# KiCad board pedalboard-hw.kicad_pcb
title: Open Pedalboard; date: 2023-09-10; rev: 2.1.0; company: https://github.com/pedalboard; note: Source Code: https://github.com/pedalboard/pedalboard-hw; note: License: CERN Open Hardware Licence Version 2 - Permissive
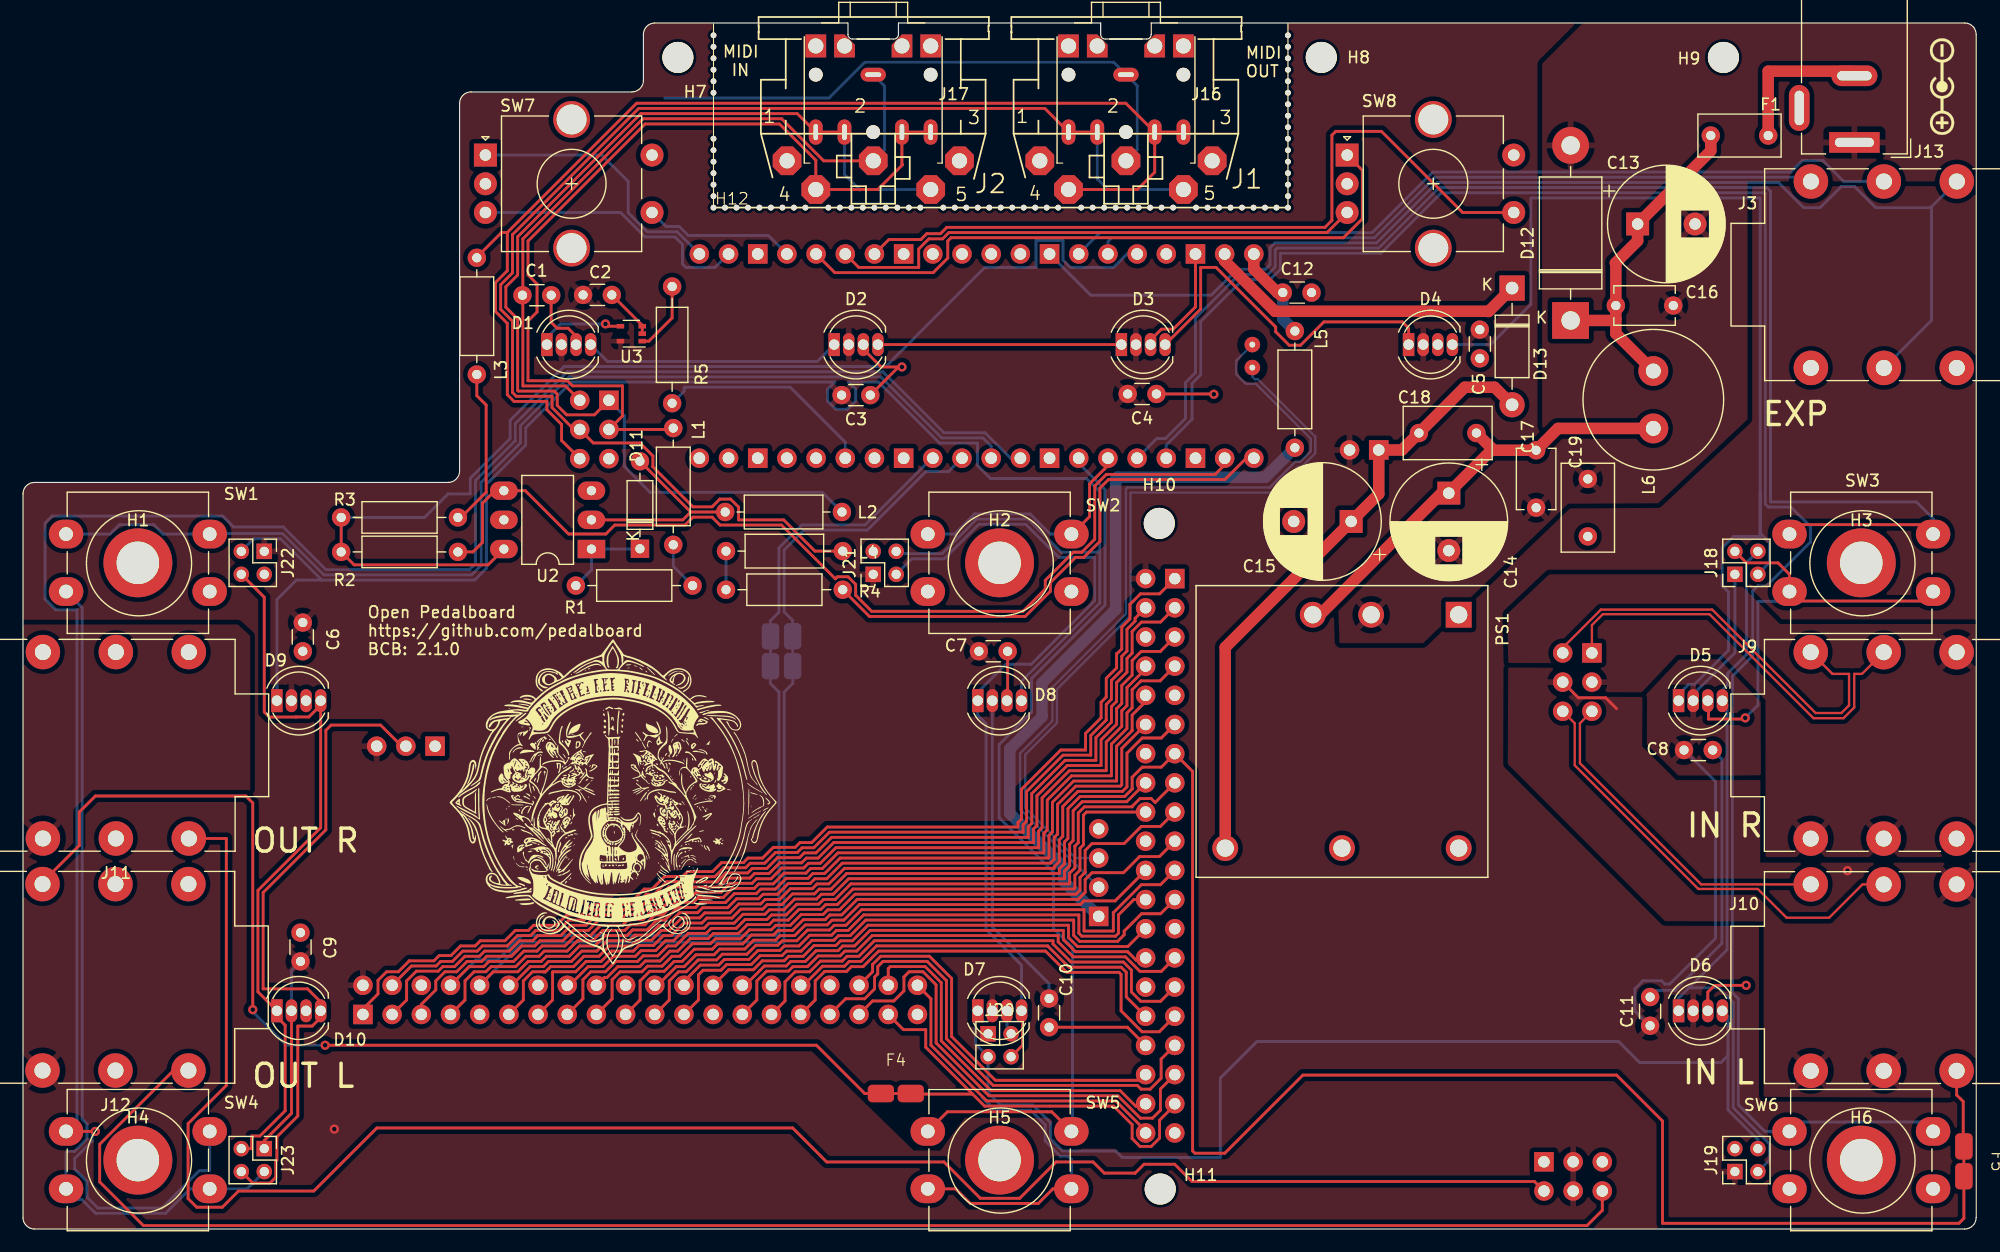
[diagram p0: board, top side]
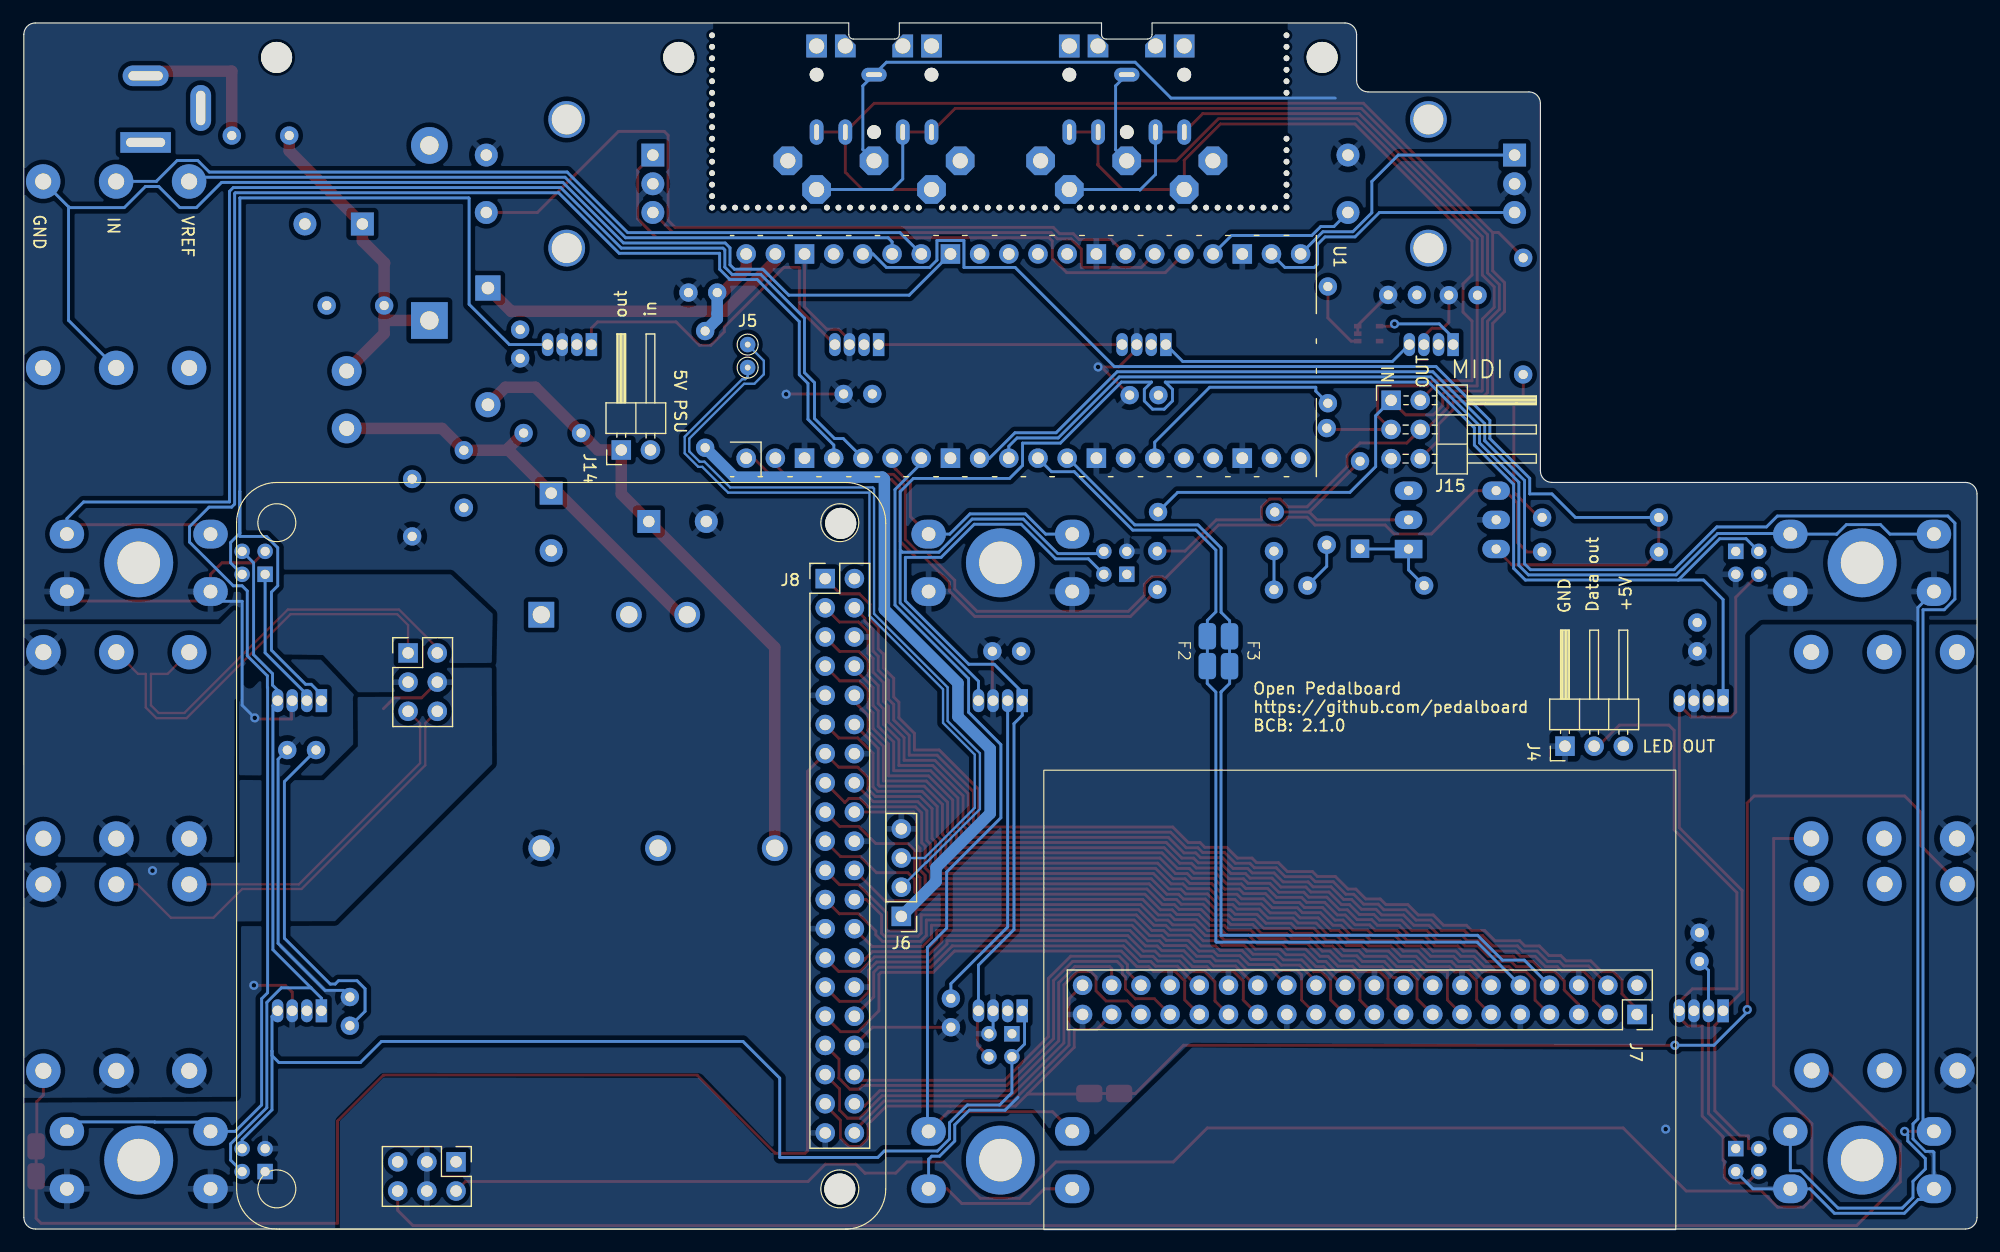
[diagram p1: board, bottom side, seen from below]

Outline 170 x 105 mm; copper layers: Top, Bottom. Coordinates in mm from the lower left corner of the outline.
Outline path: 0,64 arc(0.29,64.71) 1,65 37,65 arc(37.71,65.29) 38,66 38,98 arc(38.29,98.71) 39,99 53,99 arc(53.71,99.29) 54,100 54,104 arc(54.29,104.71) 55,105 71.8,105 71.8,104 arc(71.92,103.72) 72.2,103.6 75.8,103.6 arc(76.08,103.72) 76.2,104 76.2,105 93.8,105 93.8,104 arc(93.92,103.72) 94.2,103.6 97.8,103.6 arc(98.08,103.72) 98.2,104 98.2,105 169,105 arc(169.71,104.71) 170,104 170,1 arc(169.71,0.29) 169,0 1,0 arc(0.29,0.29) 0,1 0,64
Stack: Top 0.035mm / dielectric 1.51mm FR4 er 4.5 / Bottom 0.035mm

## Placement (name value [footprint] x y rotation side)
C1  100nF  [C_Disc_D3.0mm_W1.6mm_P2.50mm]  43.48 81.3 0 top
C2  100nF  [C_Disc_D3.0mm_W1.6mm_P2.50mm]  48.75 81.33 0 top
C3  100nF  [C_Disc_D3.0mm_W1.6mm_P2.50mm]  71.25 72.6 0 top
C4  100nF  [C_Disc_D3.0mm_W1.6mm_P2.50mm]  96.15 72.7 0 top
C5  100nF  [C_Disc_D3.0mm_W1.6mm_P2.50mm]  126.8 78.3 270 top
C6  100nF  [C_Disc_D3.0mm_W1.6mm_P2.50mm]  24.35 52.8 270 top
C7  100nF  [C_Disc_D3.0mm_W1.6mm_P2.50mm]  83.2 50.3 0 top
C8  100nF  [C_Disc_D3.0mm_W1.6mm_P2.50mm]  144.57 41.7 0 top
C9  100nF  [C_Disc_D3.0mm_W1.6mm_P2.50mm]  24.16 23.3 90 top
C10  100nF  [C_Disc_D3.0mm_W1.6mm_P2.50mm]  89.31 20.07 270 top
C11  100nF  [C_Disc_D3.0mm_W1.6mm_P2.50mm]  141.62 17.7 90 top
C12  100nF  [C_Disc_D3.0mm_W1.6mm_P2.50mm]  109.65 81.53 0 top
C13  220uF  [CP_Radial_D10.0mm_P5.00mm]  140.53 87.5 0 top
C14  220uF  [CP_Radial_D10.0mm_P5.00mm]  124.1 64.07 270 top
C15  220uF  [CP_Radial_D10.0mm_P5.00mm]  115.6 61.6 180 top
C16  4.7uF  [C_Disc_D5.1mm_W3.2mm_P5.00mm]  138.64 80.4 0 top
C17  4.7uF  [C_Disc_D5.1mm_W3.2mm_P5.00mm]  131.7 67.8 270 top
C18  1nF  [C_Disc_D7.5mm_W4.4mm_P5.00mm]  126.5 69.3 180 top
C19  1nF  [C_Disc_D7.5mm_W4.4mm_P5.00mm]  136.2 60.3 90 top
D1  NEOPIX  [LED_D5.0mm-NeoPixel]  45.6 77 0 top
D2  NEOPIX  [LED_D5.0mm-NeoPixel]  70.6 77 0 top
D3  NEOPIX  [LED_D5.0mm-NeoPixel]  95.6 77 0 top
D4  NEOPIX  [LED_D5.0mm-NeoPixel]  120.6 77 0 top
D5  NEOPIX  [LED_D5.0mm-NeoPixel]  144.1 46 0 top
D6  NEOPIX  [LED_D5.0mm-NeoPixel]  144.1 19 0 top
D7  NEOPIX  [LED_D5.0mm-NeoPixel]  83.1 19 0 top
D8  NEOPIX  [LED_D5.0mm-NeoPixel]  83.1 46 0 top
D9  NEOPIX  [LED_D5.0mm-NeoPixel]  22.1 46 0 top
D10  NEOPIX  [LED_D5.0mm-NeoPixel]  22.1 19 0 top
D11  1N4148  [D_DO-35_SOD27_P7.62mm_Horizontal]  53.7 59.22 90 top
D12  1N5401  [D_DO-201AD_P15.24mm_Horizontal]  134.7 79.1 90 top
D13  1N5817  [D_DO-41_SOD81_P10.16mm_Horizontal]  129.61 81.92 270 top
F1  Polyfuse 1.8A  [C_Rect_L7.0mm_W3.5mm_P5.00mm]  151.9 95.2 180 top
F2  ~  [Trace_Fuse]  66.99 50.31 90 bottom
F3  ~  [Trace_Fuse]  65.06 50.3 90 bottom
F4  ~  [Trace_Fuse]  75.97 11.8 0 top
F5  ~  [Trace_Fuse]  168.93 5.89 270 top
H1  Spacer  [WA-SMSI_M2.5]  10 58 0 top
H2  Spacer  [WA-SMSI_M2.5]  85 58 0 top
H3  Spacer  [WA-SMSI_M2.5]  160 58 0 top
H4  Spacer  [WA-SMSI_M2.5]  10 6 0 top
H5  Spacer  [WA-SMSI_M2.5]  85 6 0 top
H6  Spacer  [WA-SMSI_M2.5]  160 6 0 top
H7  MountingHole  [MountingHole_2.7mm_M2.5_DIN965]  57 102 0 top
H8  MountingHole  [MountingHole_2.7mm_M2.5_DIN965]  113 102 0 top
H9  MountingHole  [MountingHole_2.7mm_M2.5_DIN965]  148 102 0 top
H10  MountingHole  [MountingHole_2.7mm_M2.5_DIN965]  98.9 61.43 0 top
H11  MountingHole  [MountingHole_2.7mm_M2.5_DIN965]  98.98 3.48 0 top
H12  Midi Bites  [MIDI bites]  85.1 104.92 0 top
J1  MIDI_OUT  [CP-2350]  96 103 180 top
J2  MIDI_IN  [CP-2350]  74.01 103 180 top
J3  EXP  [Jack_6.35mm_Horizontal]  155.62 91.2 0 top
J4  RGB_LED_EXT  [PinHeader_1x03_P2.54mm_Horizontal]  35.87 42.04 90 bottom
J5  Pico USB TP  [Spring_Loaded_Pins_2mm]  107 77 180 bottom
J6  USB_A  [USB A BCB Male Plug]  93.62 27.22 0 bottom
J7  Raspberry_pi  [Raspberry PI Compute Module CM4 Nano A]  29.59 18.68 90 top
J8  HiFi Berry  [HiFi Berry DAC ADC+]  100.25 56.62 180 bottom
J9  Audio IN Right  [Jack_6.35mm_Horizontal]  155.6 50.22 0 top
J10  Audio IN Left  [Jack_6.35mm_Horizontal]  155.6 30 0 top
J11  Audio OUT Right  [Jack_6.35mm_Horizontal]  14.44 34 180 top
J12  Audio OUT Left  [Jack_6.35mm_Horizontal]  14.4 13.8 180 top
J13  Barrel_Jack_MountingPin  [BarrelJack_Wuerth_6941xx301002]  159.4 94.6 180 top
J14  Conn_02x01  [PinHeader_1x02_P2.54mm_Horizontal]  118 67.83 90 bottom
J15  MIDI IN/OUT  [PinHeader_2x03_P2.54mm_Horizontal]  51 72.15 180 bottom
J16  MIDI OUT J  [Jack_3.5mm_CUI_SJ1-3525N_Horizontal]  96 100.5 180 top
J17  MIDI IN J  [Jack_3.5mm_CUI_SJ1-3525N_Horizontal]  74 100.5 180 top
J18  LED-Ring  [Led-Ring]  149 57 90 top
J19  LED-Ring  [Led-Ring]  149 5 90 top
J20  LED-Ring  [Led-Ring]  84 17 0 top
J21  LED-Ring  [Led-Ring]  74 57 90 top
J22  LED-Ring  [Led-Ring]  21 59 270 top
J23  LED-Ring  [Led-Ring]  21 7 270 top
L1  103_100MHz  [L_Axial_L6.6mm_D2.7mm_P10.16mm_Horizontal_Vishay_IM-2]  56.6 69.73 270 top
L2  103_100MHz  [L_Axial_L6.6mm_D2.7mm_P10.16mm_Horizontal_Vishay_IM-2]  71.28 62.42 180 top
L3  103_100MHz  [L_Axial_L6.6mm_D2.7mm_P10.16mm_Horizontal_Vishay_IM-2]  39.5 84.56 270 top
L4  103_100MHz  [L_Axial_L6.6mm_D2.7mm_P10.16mm_Horizontal_Vishay_IM-2]  71.35 59.02 180 top
L5  103_100MHz  [L_Axial_L6.6mm_D2.7mm_P10.16mm_Horizontal_Vishay_IM-2]  110.7 78.18 270 top
L6  2.2uH  [L_Radial_D12.0mm_P5.00mm_Fastron_11P]  141.9 74.7 270 top
PS1  PDQE15-Q24-S5-D  [CONV_PDQE15-Q24-S5-D]  114.8 43.32 270 top
R1  220  [R_Axial_DIN0207_L6.3mm_D2.5mm_P10.16mm_Horizontal]  58.28 56.02 180 top
R2  470  [R_Axial_DIN0207_L6.3mm_D2.5mm_P10.16mm_Horizontal]  27.7 58.95 0 top
R3  33  [R_Axial_DIN0207_L6.3mm_D2.5mm_P10.16mm_Horizontal]  27.7 61.95 0 top
R4  10  [R_Axial_DIN0207_L6.3mm_D2.5mm_P10.16mm_Horizontal]  61.19 55.66 0 top
R5  470  [R_Axial_DIN0207_L6.3mm_D2.5mm_P10.16mm_Horizontal]  56.5 71.9 90 top
SW1  D  [SW_PUSH-12mm_Wuerth-430476085716]  3.75 60.5 0 top
SW2  E  [SW_PUSH-12mm_Wuerth-430476085716]  78.75 60.5 0 top
SW3  F  [SW_PUSH-12mm_Wuerth-430476085716]  153.75 60.5 0 top
SW4  A  [SW_PUSH-12mm_Wuerth-430476085716]  3.75 8.5 0 top
SW5  B  [SW_PUSH-12mm_Wuerth-430476085716]  78.75 8.5 0 top
SW6  C  [SW_PUSH-12mm_Wuerth-430476085716]  153.75 8.5 0 top
SW7  VOL Rotary  [RotaryEncoder_Alps_EC11E-Switch_Vertical_H20mm_CircularMountingHoles]  40.25 93.5 0 top
SW8  GAIN Rotary  [RotaryEncoder_Alps_EC11E-Switch_Vertical_H20mm_CircularMountingHoles]  115.25 93.5 0 top
U1  Pico  [RPi_Pico_SMD_TH]  83 76 90 bottom
U2  H11L1  [DIP-6_W7.62mm_LongPads]  49.47 59.2 180 top
U3  74AHCT1G32SE-7  [SOT-353_SC-70-5]  52.95 77.95 180 top

## Library data of the parts
C1-C12 = -: Description: Unpolarized capacitor; Supplier: https://www.digikey.ch/en/products/detail/vishay-beyschlag-draloric-bc-components/K104K20X7RH5TL2/286568
C13-C15 = -: Description: Polarized capacitor; Supplier: https://www.digikey.ch/de/products/detail/cornell-dubilier-illinois-capacitor/227AVG050MGBJ/5411698
C16 C17 = -: Description: Unpolarized capacitor; Supplier: https://www.digikey.ch/de/products/detail/kemet/C322C475K5R5TA/3726055
C18 C19 = -: Description: Unpolarized capacitor; Supplier: https://www.digikey.ch/de/products/detail/kemet/C330C102JHR5TA/1465599
D1-D10 = -: Description: RGB LED with integrated controller, 5mm/8mm LED package; Supplier: https://www.digikey.ch/de/products/detail/sparkfun-electronics/COM-12999/5673800
D11 = -: Description: 100V 0.15A standard switching diode, DO-35; Sim.Device: D; Sim.Pins: 1=K 2=A; Supplier: https://www.digikey.ch/en/products/detail/onsemi/1N4148/458603
D12 = -: Description: 100V 3A General Purpose Rectifier Diode, DO-201AD; Sim.Device: D; Sim.Pins: 1=K 2=A; Supplier: https://www.digikey.ch/de/products/detail/onsemi/1N5401G/1485525
D13 = -: Description: 20V 1A Schottky Barrier Rectifier Diode, DO-41; Supplier: https://www.digikey.ch/en/products/detail/onsemi/1N5817RLG/807254
F1 = -: Description: Resettable fuse, polymeric positive temperature coefficient; Supplier: https://www.digikey.ch/de/products/detail/bel-fuse-inc/0ZRP0090FF1E/9468255
F2-F5 = -: Description: Fuse, small symbol
H1-H6 = -: Description: Mounting Hole without connection; Supplier: https://www.digikey.ch/de/products/detail/w%C3%BCrth-elektronik/9774027151R/5320625
H7-H12 = -: Description: Mounting Hole without connection
J1 J2 = -: Description: 5-pin DIN connector (5-pin DIN-5 stereo); Supplier: https://www.digikey.ch/de/products/detail/switchcraft-inc/57PC5F/275385
J3 J9-J12 = -: Description: M Series, 6.35mm (1/4in) stereo jack, switched, with chrome ferrule and straight PCB pins; Supplier: https://www.digikey.ch/de/products/detail/schurter-inc/4833-2320/2644235
J4 = -: Description: Generic connector, single row, 01x03, script generated; Supplier: https://www.digikey.ch/de/products/detail/w%C3%BCrth-elektronik/61300311021/4846824
J5 = -: Description: Generic connector, single row, 01x02, script generated; Supplier: https://www.digikey.ch/de/products/detail/mill-max-manufacturing-corp/0906-0-15-20-76-14-11-0/1147048
J6 = -: Description: USB Type A connector; Supplier: https://www.digikey.ch/de/products/detail/gct/USB1061-GF-L-A/10649776
J7 = -: Description: expansion header for Raspberry Pi 2 & 3; Supplier: https://www.digikey.ch/de/products/detail/w%C3%BCrth-elektronik/61304021121/4846886
J8 = -: Description: expansion header for Raspberry Pi 2 & 3; Supplier: https://www.digikey.ch/de/products/detail/w%C3%BCrth-elektronik/61304021821/16608657
J13 = -: Description: DC Barrel Jack with an internal switch; Supplier: https://www.digikey.ch/de/products/detail/w%C3%BCrth-elektronik/694106301002/5047522
J14 = -: Description: Generic connector, double row, 02x01, this symbol is compatible with counter-clockwise, top-bottom and odd-even numbering schemes., script generated (kicad-library-utils/schlib/autogen/connector/); Supplier: https://www.digikey.ch/de/products/detail/amphenol-cs-fci/68016-202HLF/4273561
J15 = -: Description: Generic connector, double row, 02x03, top/bottom pin numbering scheme (row 1: 1...pins_per_row, row2: pins_per_row+1 ... num_pins), script generated (kicad-library-utils/schlib/autogen/connector/); Supplier: https://www.digikey.ch/de/products/detail/w%C3%BCrth-elektronik/61300621021/4846834
J16 J17 = -: Description: Audio Jack, 3 Poles (Stereo / TRS), Switched TR Poles (Normalling); Supplier: https://www.digikey.ch/de/products/detail/cui-devices/SJ1-3525NG/738690
J18-J23 = -: Description: Generic connector, double row, 02x02, odd/even pin numbering scheme (row 1 odd numbers, row 2 even numbers), script generated (kicad-library-utils/schlib/autogen/connector/)
L1-L5 = -: Description: Inductor with ferrite core; Supplier: https://www.digikey.ch/en/products/detail/fair-rite-products-corp/2743005111/8599429
L6 = -: Description: Inductor; Supplier: https://www.digikey.ch/de/products/detail/w%C3%BCrth-elektronik/7447471022/2794428
PS1 = -: Supplier: https://www.digikey.ch/de/products/detail/cui-inc/PDQE15-Q24-S5-D/10230147
R1 = -: Description: Resistor; Supplier: https://www.digikey.ch/de/products/detail/koa-speer-electronics-inc/CF1-4C221J/13537314
R2 R5 = -: Description: Resistor; Supplier: https://www.digikey.ch/de/products/detail/koa-speer-electronics-inc/CF1-4C471J/13537235
R3 = -: Description: Resistor; Supplier: https://www.digikey.ch/de/products/detail/koa-speer-electronics-inc/CF1-4C330J/13537493
R4 = -: Description: Resistor; Supplier: https://www.digikey.ch/de/products/detail/koa-speer-electronics-inc/CF1-4C100J/13537327
SW1-SW6 = -: Description: Omron B3FS 6x6mm single pole normally-open tactile switch; Supplier: https://www.digikey.ch/de/products/detail/w%C3%BCrth-elektronik/430466043726/5209037
SW7 SW8 = -: Description: Rotary encoder, dual channel, incremental quadrate outputs, with switch; Supplier: https://www.digikey.ch/de/products/detail/w%C3%BCrth-elektronik/482016514001/10056402
U1 = -: Supplier: https://www.digikey.ch/de/products/detail/w%C3%BCrth-elektronik/61302011121/4846860
U2 = -: Description: Schmitt Trigger Output Optocoupler, High Speed, DIP-6, 1.6mA turn on threshold; Supplier: https://www.digikey.ch/de/products/detail/onsemi/H11L1M/284866
U3 = -: Description: OR Gate IC 1 Channel - SOT-353; Check_prices: https://www.snapeda.com/parts/74AHCT1G32SE-7/Diodes+Inc./view-part/?ref=eda; DigiKey_Part_Number: 74AHCT1G32SE-7DITR-ND; MF: Diodes Inc.; OC_FARNELL: 2057398; OC_NEWARK: 64T4877; PACKAGE: SOT-353-5; Package: SOT-353 Diodes Inc.; Purchase-URL: https://www.snapeda.com/api/url_track_click_mouser/?unipart_id=579086&manufacturer=Diodes Inc.&part_name=74AHCT1G32SE-7&search_term=None; SUPPLIER: Diodes INC; SnapEDA_Link: https://www.snapeda.com/parts/74AHCT1G32SE-7/Diodes+Inc./view-part/?ref=snap

## Footprints (pads in the part's own frame, mm; a bottom-side part is the same pattern mirrored in y, then rotated)
BarrelJack_Wuerth_6941xx301002
  rect 4.4x1.8 hole 3.4x0.8: 1(0,0)
  oval 4x1.8 hole 3x0.8: 2(0,-5.8)
  oval 1.8x4 hole 0.8x3: 3(4.8,-3)
C_Disc_D3.0mm_W1.6mm_P2.50mm
  round 1.6 hole 0.8: 1(0,0) 2(2.5,0)
C_Disc_D5.1mm_W3.2mm_P5.00mm
  round 1.6 hole 0.8: 1(0,0) 2(5,0)
C_Disc_D7.5mm_W4.4mm_P5.00mm
  round 1.6 hole 0.8: 1(0,0) 2(5,0)
C_Rect_L7.0mm_W3.5mm_P5.00mm
  round 1.6 hole 0.8: 1(0,0) 2(5,0)
CONV_PDQE15-Q24-S5-D
  rect 2.25x2.25 hole 1.5: 1(-10.16,10.16)
  round 2.25 hole 1.5: 2(-10.16,2.54) 3(-10.16,-2.54) 4(10.16,-10.16) 5(10.16,0) 6(10.16,10.16)
CP-2350
  rrect 2.5x2.5 hole 1.321: 1(7.5,10) 2(0,10) 3(-7.5,10) 4(5,12.5) 5(-5,12.5)
  rrect 1.8x2 hole 1.321: PE(-2.5,0) PE@(2.5,0)
  rect 1.8x2 hole 1.321: PE1(-5,0) PE2(5,0)
CP_Radial_D10.0mm_P5.00mm
  rect 2x2 hole 1: 1(0,0)
  round 2 hole 1: 2(5,0)
D_DO-35_SOD27_P7.62mm_Horizontal
  rect 1.6x1.6 hole 0.8: 1(0,0)
  oval 1.6x1.6 hole 0.8: 2(7.62,0)
D_DO-41_SOD81_P10.16mm_Horizontal
  rect 2.2x2.2 hole 1.1: 1(0,0)
  oval 2.2x2.2 hole 1.1: 2(10.16,0)
D_DO-201AD_P15.24mm_Horizontal
  rect 3.2x3.2 hole 1.6: 1(0,0)
  oval 3.2x3.2 hole 1.6: 2(15.24,0)
DIP-6_W7.62mm_LongPads
  rect 2.4x1.6 hole 0.8: 1(0,0)
  oval 2.4x1.6 hole 0.8: 2(0,-2.54) 3(0,-5.08) 4(7.62,-5.08) 5(7.62,-2.54) 6(7.62,0)
HiFi Berry DAC ADC+
  rect 1.7x1.7 hole 1: 1(0,0) 41(-36.305,-6.47) 47(-32.13,-50.775)
  oval 1.7x1.7 hole 1: 2(2.54,0) 3(0,-2.54) 4(2.54,-2.54) 5(0,-5.08) 6(2.54,-5.08) 7(0,-7.62) 8(2.54,-7.62) 9(0,-10.16) 10(2.54,-10.16) 11(0,-12.7) 12(2.54,-12.7) 13(0,-15.24) 14(2.54,-15.24) 15(0,-17.78) 16(2.54,-17.78) 17(0,-20.32) 18(2.54,-20.32) 19(0,-22.86) 20(2.54,-22.86) 21(0,-25.4) 22(2.54,-25.4) 23(0,-27.94) 24(2.54,-27.94) 25(0,-30.48) 26(2.54,-30.48) 27(0,-33.02) 28(2.54,-33.02) 29(0,-35.56) 30(2.54,-35.56) 31(0,-38.1) 32(2.54,-38.1) 33(0,-40.64) 34(2.54,-40.64) 35(0,-43.18) 36(2.54,-43.18) 37(0,-45.72) 38(2.54,-45.72) 39(0,-48.26) 40(2.54,-48.26) 42(-33.765,-6.47) 43(-36.305,-9.01) 44(-33.765,-9.01) 45(-36.305,-11.55) 46(-33.765,-11.55) 48(-32.13,-53.315) 49(-34.67,-50.775) 50(-34.67,-53.315) 51(-37.21,-50.775) 52(-37.21,-53.315)
Jack_3.5mm_CUI_SJ1-3525N_Horizontal
  round 1.2 hole 1.2 unplated: (-5,0) (0,5) (5,0)
  oval 1.2x2.2 hole 0.4x1.4: R(-5,5) RN(-2.5,5) T(5,5) TN(2.5,5)
  oval 2.2x1.2 hole 1.4x0.4: S(0,0)
Jack_6.35mm_Horizontal
  round 3 hole 1.4: R(6.35,0) RN(6.35,-16.23) S(12.7,0) SN(12.7,-16.23) T(0,0) TN(0,-16.23)
L_Axial_L6.6mm_D2.7mm_P10.16mm_Horizontal_Vishay_IM-2
  round 1.6 hole 0.8: 1(0,0)
  oval 1.6x1.6 hole 0.8: 2(10.16,0)
L_Radial_D12.0mm_P5.00mm_Fastron_11P
  round 2.6 hole 1.3: 1(0,0) 2(5,0)
Led-Ring
  rect 1.35x1.35 hole 0.8: 1(0,0)
  oval 1.35x1.35 hole 0.8: 2(2,0) 3(0,-2) 4(2,-2)
LED_D5.0mm-NeoPixel
  rect 1x2 hole 0.9: 1(0,0)
  oval 1x2 hole 0.9: 2(1.27,0) 3(2.54,0) 4(3.81,0)
MIDI bites
  round 0.6 hole 0.5 unplated: (-25,-1) (-25,-2) (-25,-3) (-25,-4) (-25,-5) (-25,-6) (-25,-10) (-25,-11) (-25,-12) (-25,-13) (-25,-14) (-25,-15) (-25,-16) (-24,-16) (-23,-16) (-22,-16) (-21,-16) (-20,-16) (-19,-16) (-18,-16) (-17,-16) (-15,-16) (-14,-16) (-13,-16) (-12,-16) (-11,-16) (-10,-16) (-9,-16) (-8,-16) (-7,-16) (-5,-16) (-4,-16) (-3,-16) (-2,-16) (-1,-16) (0,-16) (1,-16) (2,-16) (3,-16) (4,-16) (5,-16) (7,-16) (8,-16) (9,-16) (10,-16) (11,-16) (12,-16) (13,-16) (14,-16) (15,-16) (17,-16) (18,-16) (19,-16) (20,-16) (21,-16) (22,-16) (23,-16) (24,-16) (25,-1) (25,-2) (25,-3) (25,-4) (25,-5) (25,-6) (25,-7) (25,-8) (25,-9) (25,-10) (25,-11) (25,-12) (25,-13) (25,-14) (25,-15) (25,-16)
MountingHole_2.7mm_M2.5_DIN965
  round 2.7 hole 2.7 unplated: (0,0)
PinHeader_1x02_P2.54mm_Horizontal
  rect 1.7x1.7 hole 1: 1(0,0)
  oval 1.7x1.7 hole 1: 2(0,-2.54)
PinHeader_1x03_P2.54mm_Horizontal
  rect 1.7x1.7 hole 1: 1(0,0)
  oval 1.7x1.7 hole 1: 2(0,-2.54) 3(0,-5.08)
PinHeader_2x03_P2.54mm_Horizontal
  rect 1.7x1.7 hole 1: 1(0,0)
  oval 1.7x1.7 hole 1: 2(2.54,0) 3(0,-2.54) 4(2.54,-2.54) 5(0,-5.08) 6(2.54,-5.08)
R_Axial_DIN0207_L6.3mm_D2.5mm_P10.16mm_Horizontal
  round 1.6 hole 0.8: 1(0,0)
  oval 1.6x1.6 hole 0.8: 2(10.16,0)
Raspberry PI Compute Module CM4 Nano A
  rect 1.7x1.7 hole 1: 1(0,0)
  oval 1.7x1.7 hole 1: 2(2.54,0) 3(0,-2.54) 4(2.54,-2.54) 5(0,-5.08) 6(2.54,-5.08) 7(0,-7.62) 8(2.54,-7.62) 9(0,-10.16) 10(2.54,-10.16) 11(0,-12.7) 12(2.54,-12.7) 13(0,-15.24) 14(2.54,-15.24) 15(0,-17.78) 16(2.54,-17.78) 17(0,-20.32) 18(2.54,-20.32) 19(0,-22.86) 20(2.54,-22.86) 21(0,-25.4) 22(2.54,-25.4) 23(0,-27.94) 24(2.54,-27.94) 25(0,-30.48) 26(2.54,-30.48) 27(0,-33.02) 28(2.54,-33.02) 29(0,-35.56) 30(2.54,-35.56) 31(0,-38.1) 32(2.54,-38.1) 33(0,-40.64) 34(2.54,-40.64) 35(0,-43.18) 36(2.54,-43.18) 37(0,-45.72) 38(2.54,-45.72) 39(0,-48.26) 40(2.54,-48.26)
RotaryEncoder_Alps_EC11E-Switch_Vertical_H20mm_CircularMountingHoles
  rect 2x2 hole 1: A(0,0)
  round 2 hole 1: B(0,-5) C(0,-2.5) S1(14.5,-5) S2(14.5,0)
  round 3.2 hole 2.6: MP(7.5,3.1) MP(7.5,-8.1)
RPi_Pico_SMD_TH
  oval 1.7x1.7 hole 1.02: 1(-8.89,24.13) 2(-8.89,21.59) 4(-8.89,16.51) 5(-8.89,13.97) 6(-8.89,11.43) 7(-8.89,8.89) 9(-8.89,3.81) 10(-8.89,1.27) 11(-8.89,-1.27) 12(-8.89,-3.81) 14(-8.89,-8.89) 15(-8.89,-11.43) 16(-8.89,-13.97) 17(-8.89,-16.51) 19(-8.89,-21.59) 20(-8.89,-24.13) 21(8.89,-24.13) 22(8.89,-21.59) 24(8.89,-16.51) 25(8.89,-13.97) 26(8.89,-11.43) 27(8.89,-8.89) 29(8.89,-3.81) 30(8.89,-1.27) 31(8.89,1.27) 32(8.89,3.81) 34(8.89,8.89) 35(8.89,11.43) 36(8.89,13.97) 37(8.89,16.51) 39(8.89,21.59) 40(8.89,24.13)
  rect 1.7x1.7 hole 1.02: 3(-8.89,19.05) 8(-8.89,6.35) 13(-8.89,-6.35) 18(-8.89,-19.05) 23(8.89,-19.05) 28(8.89,-6.35) 33(8.89,6.35) 38(8.89,19.05)
SOT-353_SC-70-5
  rect 0.65x0.4 smd: 1(-0.95,0.65) 2(-0.95,0) 3(-0.95,-0.65) 4(0.95,-0.65) 5(0.95,0.65)
Spring_Loaded_Pins_2mm
  round 1.35 hole 0.508: 1(0,0)
  oval 1.35x1.35 hole 0.508: 2(0,-2)
SW_PUSH-12mm_Wuerth-430476085716
  oval 3x2.5 hole 1.2: 1(0,0) 1(12.5,0) 2(0,-5) 2(12.5,-5)
Trace_Fuse
  rrect 2.286x1.524 smd: 1(-1.3,0) 2(1.3,0)
USB A BCB Male Plug
  rect 1.7x1.7 hole 1: 1(0,0)
  oval 1.7x1.7 hole 1: 2(0,-2.54) 3(0,-5.08) 4(0,-7.62)
WA-SMSI_M2.5
  round 6 hole 3.7 unplated: (0,0)
